# KiCad board mackerel-30-v1.kicad_pcb (continued)
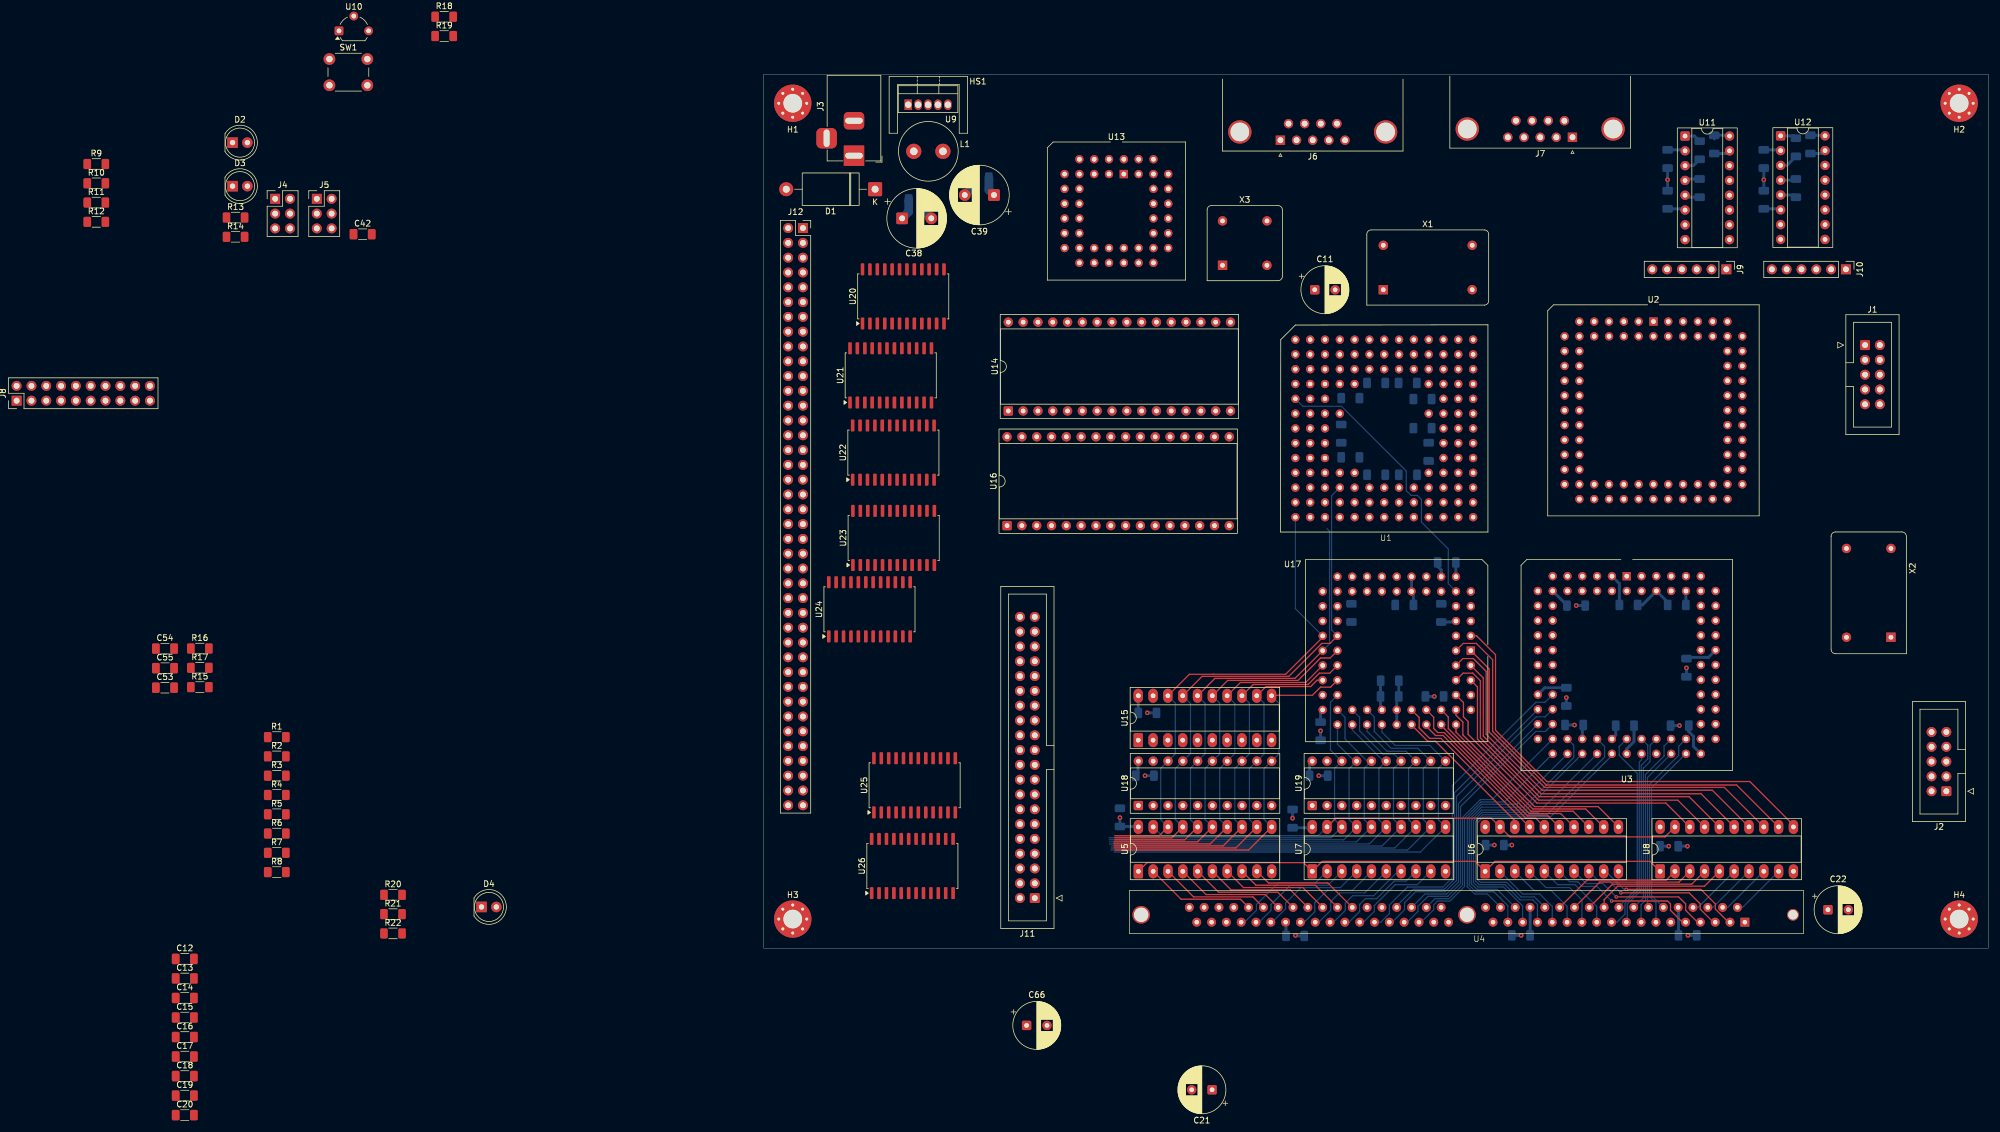
[diagram p0: board, top side]
## Footprints (pads in the part's own frame, mm; a bottom-side part is the same pattern mirrored in y, then rotated) (continued)
PinHeader_1x06_P2.54mm_Vertical
  rect 1.7x1.7 hole 1: 1(0,0)
  round 1.7 hole 1: 2(0,-2.54) 3(0,-5.08) 4(0,-7.62) 5(0,-10.16) 6(0,-12.7)
PinHeader_2x03_P2.54mm_Vertical
  rect 1.7x1.7 hole 1: 1(0,0)
  round 1.7 hole 1: 2(2.54,0) 3(0,-2.54) 4(2.54,-2.54) 5(0,-5.08) 6(2.54,-5.08)
PinHeader_2x10_P2.54mm_Vertical
  rect 1.7x1.7 hole 1: 1(0,0)
  round 1.7 hole 1: 2(2.54,0) 3(0,-2.54) 4(2.54,-2.54) 5(0,-5.08) 6(2.54,-5.08) 7(0,-7.62) 8(2.54,-7.62) 9(0,-10.16) 10(2.54,-10.16) 11(0,-12.7) 12(2.54,-12.7) 13(0,-15.24) 14(2.54,-15.24) 15(0,-17.78) 16(2.54,-17.78) 17(0,-20.32) 18(2.54,-20.32) 19(0,-22.86) 20(2.54,-22.86)
PinSocket_2x40_P2.54mm_Vertical
  rect 1.7x1.7 hole 1: 1(0,0)
  round 1.7 hole 1: 2(-2.54,0) 3(0,-2.54) 4(-2.54,-2.54) 5(0,-5.08) 6(-2.54,-5.08) 7(0,-7.62) 8(-2.54,-7.62) 9(0,-10.16) 10(-2.54,-10.16) 11(0,-12.7) 12(-2.54,-12.7) 13(0,-15.24) 14(-2.54,-15.24) 15(0,-17.78) 16(-2.54,-17.78) 17(0,-20.32) 18(-2.54,-20.32) 19(0,-22.86) 20(-2.54,-22.86) 21(0,-25.4) 22(-2.54,-25.4) 23(0,-27.94) 24(-2.54,-27.94) 25(0,-30.48) 26(-2.54,-30.48) 27(0,-33.02) 28(-2.54,-33.02) 29(0,-35.56) 30(-2.54,-35.56) 31(0,-38.1) 32(-2.54,-38.1) 33(0,-40.64) 34(-2.54,-40.64) 35(0,-43.18) 36(-2.54,-43.18) 37(0,-45.72) 38(-2.54,-45.72) 39(0,-48.26) 40(-2.54,-48.26) 41(0,-50.8) 42(-2.54,-50.8) 43(0,-53.34) 44(-2.54,-53.34) 45(0,-55.88) 46(-2.54,-55.88) 47(0,-58.42) 48(-2.54,-58.42) 49(0,-60.96) 50(-2.54,-60.96) 51(0,-63.5) 52(-2.54,-63.5) 53(0,-66.04) 54(-2.54,-66.04) 55(0,-68.58) 56(-2.54,-68.58) 57(0,-71.12) 58(-2.54,-71.12) 59(0,-73.66) 60(-2.54,-73.66) 61(0,-76.2) 62(-2.54,-76.2) 63(0,-78.74) 64(-2.54,-78.74) 65(0,-81.28) 66(-2.54,-81.28) 67(0,-83.82) 68(-2.54,-83.82) 69(0,-86.36) 70(-2.54,-86.36) 71(0,-88.9) 72(-2.54,-88.9) 73(0,-91.44) 74(-2.54,-91.44) 75(0,-93.98) 76(-2.54,-93.98) 77(0,-96.52) 78(-2.54,-96.52) 79(0,-99.06) 80(-2.54,-99.06)
PLCC-44_THT-Socket
  rect 1.422x1.422 hole 0.8: 1(0,0)
  round 1.422 hole 0.8: 2(-2.54,2.54) 3(-2.54,0) 4(-5.08,2.54) 5(-5.08,0) 6(-7.62,2.54) 7(-10.16,0) 8(-7.62,0) 9(-10.16,-2.54) 10(-7.62,-2.54) 11(-10.16,-5.08) 12(-7.62,-5.08) 13(-10.16,-7.62) 14(-7.62,-7.62) 15(-10.16,-10.16) 16(-7.62,-10.16) 17(-10.16,-12.7) 18(-7.62,-15.24) 19(-7.62,-12.7) 20(-5.08,-15.24) 21(-5.08,-12.7) 22(-2.54,-15.24) 23(-2.54,-12.7) 24(0,-15.24) 25(0,-12.7) 26(2.54,-15.24) 27(2.54,-12.7) 28(5.08,-15.24) 29(7.62,-12.7) 30(5.08,-12.7) 31(7.62,-10.16) 32(5.08,-10.16) 33(7.62,-7.62) 34(5.08,-7.62) 35(7.62,-5.08) 36(5.08,-5.08) 37(7.62,-2.54) 38(5.08,-2.54) 39(7.62,0) 40(5.08,2.54) 41(5.08,0) 42(2.54,2.54) 43(2.54,0) 44(0,2.54)
PLCC-68_THT-Socket
  rect 1.422x1.422 hole 0.8: 1(0,0)
  round 1.422 hole 0.8: 2(0,-2.54) 3(-2.54,0) 4(-2.54,-2.54) 5(-5.08,0) 6(-5.08,-2.54) 7(-7.62,0) 8(-7.62,-2.54) 9(-10.16,0) 10(-12.7,-2.54) 11(-10.16,-2.54) 12(-12.7,-5.08) 13(-10.16,-5.08) 14(-12.7,-7.62) 15(-10.16,-7.62) 16(-12.7,-10.16) 17(-10.16,-10.16) 18(-12.7,-12.7) 19(-10.16,-12.7) 20(-12.7,-15.24) 21(-10.16,-15.24) 22(-12.7,-17.78) 23(-10.16,-17.78) 24(-12.7,-20.32) 25(-10.16,-20.32) 26(-12.7,-22.86) 27(-10.16,-25.4) 28(-10.16,-22.86) 29(-7.62,-25.4) 30(-7.62,-22.86) 31(-5.08,-25.4) 32(-5.08,-22.86) 33(-2.54,-25.4) 34(-2.54,-22.86) 35(0,-25.4) 36(0,-22.86) 37(2.54,-25.4) 38(2.54,-22.86) 39(5.08,-25.4) 40(5.08,-22.86) 41(7.62,-25.4) 42(7.62,-22.86) 43(10.16,-25.4) 44(12.7,-22.86) 45(10.16,-22.86) 46(12.7,-20.32) 47(10.16,-20.32) 48(12.7,-17.78) 49(10.16,-17.78) 50(12.7,-15.24) 51(10.16,-15.24) 52(12.7,-12.7) 53(10.16,-12.7) 54(12.7,-10.16) 55(10.16,-10.16) 56(12.7,-7.62) 57(10.16,-7.62) 58(12.7,-5.08) 59(10.16,-5.08) 60(12.7,-2.54) 61(10.16,0) 62(10.16,-2.54) 63(7.62,0) 64(7.62,-2.54) 65(5.08,0) 66(5.08,-2.54) 67(2.54,0) 68(2.54,-2.54)
PLCC-84_THT-Socket
  rect 1.422x1.422 hole 0.8: 1(0,0)
  round 1.422 hole 0.8: 2(0,-2.54) 3(-2.54,0) 4(-2.54,-2.54) 5(-5.08,0) 6(-5.08,-2.54) 7(-7.62,0) 8(-7.62,-2.54) 9(-10.16,0) 10(-10.16,-2.54) 11(-12.7,0) 12(-15.24,-2.54) 13(-12.7,-2.54) 14(-15.24,-5.08) 15(-12.7,-5.08) 16(-15.24,-7.62) 17(-12.7,-7.62) 18(-15.24,-10.16) 19(-12.7,-10.16) 20(-15.24,-12.7) 21(-12.7,-12.7) 22(-15.24,-15.24) 23(-12.7,-15.24) 24(-15.24,-17.78) 25(-12.7,-17.78) 26(-15.24,-20.32) 27(-12.7,-20.32) 28(-15.24,-22.86) 29(-12.7,-22.86) 30(-15.24,-25.4) 31(-12.7,-25.4) 32(-15.24,-27.94) 33(-12.7,-30.48) 34(-12.7,-27.94) 35(-10.16,-30.48) 36(-10.16,-27.94) 37(-7.62,-30.48) 38(-7.62,-27.94) 39(-5.08,-30.48) 40(-5.08,-27.94) 41(-2.54,-30.48) 42(-2.54,-27.94) 43(0,-30.48) 44(0,-27.94) 45(2.54,-30.48) 46(2.54,-27.94) 47(5.08,-30.48) 48(5.08,-27.94) 49(7.62,-30.48) 50(7.62,-27.94) 51(10.16,-30.48) 52(10.16,-27.94) 53(12.7,-30.48) 54(15.24,-27.94) 55(12.7,-27.94) 56(15.24,-25.4) 57(12.7,-25.4) 58(15.24,-22.86) 59(12.7,-22.86) 60(15.24,-20.32) 61(12.7,-20.32) 62(15.24,-17.78) 63(12.7,-17.78) 64(15.24,-15.24) 65(12.7,-15.24) 66(15.24,-12.7) 67(12.7,-12.7) 68(15.24,-10.16) 69(12.7,-10.16) 70(15.24,-7.62) 71(12.7,-7.62) 72(15.24,-5.08) 73(12.7,-5.08) 74(15.24,-2.54) 75(12.7,0) 76(12.7,-2.54) 77(10.16,0) 78(10.16,-2.54) 79(7.62,0) 80(7.62,-2.54) 81(5.08,0) 82(5.08,-2.54) 83(2.54,0) 84(2.54,-2.54)
R_1206_3216Metric_Pad1.30x1.75mm_HandSolder
  rrect 1.3x1.75 smd: 1(-1.55,0) 2(1.55,0)
SIMM-72
  rect 1.524x1.524 hole 0.762: 1(0,0)
  round 1.524 hole 0.762: 2(1.27,-2.54) 3(2.54,0) 4(3.81,-2.54) 5(5.08,0) 6(6.35,-2.54) 7(7.62,0) 8(8.89,-2.54) 9(10.16,0) 10(11.43,-2.54) 11(12.7,0) 12(13.97,-2.54) 13(15.24,0) 14(16.51,-2.54) 15(17.78,0) 16(19.05,-2.54) 17(20.32,0) 18(21.59,-2.54) 19(22.86,0) 20(24.13,-2.54) 21(25.4,0) 22(26.67,-2.54) 23(27.94,0) 24(29.21,-2.54) 25(30.48,0) 26(31.75,-2.54) 27(33.02,0) 28(34.29,-2.54) 29(35.56,0) 30(36.83,-2.54) 31(38.1,0) 32(39.37,-2.54) 33(40.64,0) 34(41.91,-2.54) 35(43.18,0) 36(44.45,-2.54) 37(50.8,0) 38(52.07,-2.54) 39(53.34,0) 40(54.61,-2.54) 41(55.88,0) 42(57.15,-2.54) 43(58.42,0) 44(59.69,-2.54) 45(60.96,0) 46(62.23,-2.54) 47(63.5,0) 48(64.77,-2.54) 49(66.04,0) 50(67.31,-2.54) 51(68.58,0) 52(69.85,-2.54) 53(71.12,0) 54(72.39,-2.54) 55(73.66,0) 56(74.93,-2.54) 57(76.2,0) 58(77.47,-2.54) 59(78.74,0) 60(80.01,-2.54) 61(81.28,0) 62(82.55,-2.54) 63(83.82,0) 64(85.09,-2.54) 65(86.36,0) 66(87.63,-2.54) 67(88.9,0) 68(90.17,-2.54) 69(91.44,0) 70(92.71,-2.54) 71(93.98,0) 72(95.25,-2.54)
  round 2 hole 1.63: 73(-8.255,-1.27)
  round 3 hole 2.45: 74(103.505,-1.27) 75(47.63,-1.27)
SOIC-24W_7.5x15.4mm_P1.27mm
  rrect 2.05x0.6 smd: 1(-4.65,6.985) 2(-4.65,5.715) 3(-4.65,4.445) 4(-4.65,3.175) 5(-4.65,1.905) 6(-4.65,0.635) 7(-4.65,-0.635) 8(-4.65,-1.905) 9(-4.65,-3.175) 10(-4.65,-4.445) 11(-4.65,-5.715) 12(-4.65,-6.985) 13(4.65,-6.985) 14(4.65,-5.715) 15(4.65,-4.445) 16(4.65,-3.175) 17(4.65,-1.905) 18(4.65,-0.635) 19(4.65,0.635) 20(4.65,1.905) 21(4.65,3.175) 22(4.65,4.445) 23(4.65,5.715) 24(4.65,6.985)
SW_PUSH_6mm_H5mm
  round 2 hole 1.1: 1(0,0) 1(6.5,0) 2(0,-4.5) 2(6.5,-4.5)
TO-92L_Wide
  rrect 1.5x1.5 hole 0.8: 1(0,0)
  round 1.5 hole 0.8: 2(2.54,2.54) 3(5.08,0)
TO-220-5_Vertical
  rect 1.275x1.8 hole 1.1: 1(0,0)
  oval 1.275x1.8 hole 1.1: 2(1.7,0) 3(3.4,0) 4(5.1,0) 5(6.8,0)

## Nets
+5V: C1.1 C2.1 C3.1 C4.1 C5.1 C6.1 C7.1 C8.1 C9.1 C10.1 C11.1 C12.1 C13.1 C14.1 C15.1 C16.1 C17.1 C18.1 C19.1 C20.1 C21.1 C22.1 C23.1 C24.1 C25.1 C26.1 C27.1 C28.1 C29.1 C30.1 C31.1 C32.1 C33.1 C34.1 C35.1 C36.1 C37.1 C39.1 C40.1 C43.1 C44.1 C53.1 C54.1 C55.1 C56.1 C57.1 C58.1 C59.1 C60.1 C61.1 C62.1 C63.1 C64.1 C65.1 C66.1 C67.1 J1.4 J2.4 J5.1 J5.3 J5.5 J8.3 J8.4 L1.2 R1.1 R2.1 R3.1 R4.1 R5.1 R6.1 R7.1 R9.1 R10.1 R11.1 R13.1 R14.1 R15.2 R16.1 R17.1 R18.1 R19.1 R22.1 U1.A1 U1.C3 U1.C6 U1.D4 U1.D10 U1.F2 U1.F11 U1.G1 U1.H3 U1.H11 U1.J1 U1.K4 U1.K10 U1.L6 U2.3 U2.13 U2.26 U2.38 U2.43 U2.53 U2.66 U2.78 U3.3 U3.13 U3.26 U3.38 U3.43 U3.53 U3.66 U3.78 U4.10 U4.30 U4.59 U5.20 U6.20 U7.20 U8.20 U9.4 U10.3 U11.16 U12.16 U13.44 U14.32 U15.20 U16.32 U17.10 U17.16 U17.17 U17.27 U17.43 U17.52 U17.53 U17.61 U18.20 U19.20 U20.1 U21.1 U22.1 U23.1 U24.1 U25.1 U26.1 X1.14 X2.14 X3.8
+12V: C38.1 C41.1 J3.1 J4.1 J4.3 J4.5 U9.1
GND: C1.2 C2.2 C3.2 C4.2 C5.2 C6.2 C7.2 C8.2 C9.2 C10.2 C11.2 C12.2 C13.2 C14.2 C15.2 C16.2 C17.2 C18.2 C19.2 C20.2 C21.2 C22.2 C23.2 C24.2 C25.2 C26.2 C27.2 C28.2 C29.2 C30.2 C31.2 C32.2 C33.2 C34.2 C35.2 C36.2 C37.2 C38.2 C39.2 C40.2 C41.2 C42.2 C43.2 C44.2 C49.2 C50.1 C51.2 C52.1 C53.2 C54.2 C55.2 C56.2 C57.2 C58.2 C59.2 C60.2 C61.2 C62.2 C63.2 C64.2 C65.2 C66.2 C67.2 D1.2 D2.1 H1.1 H2.1 H3.1 H4.1 J1.2 J1.10 J2.2 J2.10 J3.2 J4.2 J4.4 J4.6 J5.2 J5.4 J5.6 J6.5 J6.SH J7.5 J7.SH J8.5 J8.6 J8.19 J8.20 J9.1 J10.1 J11.2 J11.19 J11.22 J11.24 J11.26 J11.30 J11.40 R8.2 R12.2 R20.1 R21.1 SW1.2 U1.C5 U1.C7 U1.C9 U1.E3 U1.E11 U1.F3 U1.G3 U1.G11 U1.J3 U1.J11 U1.L5 U1.L7 U1.L8 U1.L9 U2.1 U2.7 U2.19 U2.32 U2.42 U2.47 U2.59 U2.72 U2.82 U2.84 U3.1 U3.2 U3.7 U3.19 U3.32 U3.42 U3.47 U3.59 U3.72 U3.82 U3.84 U4.1 U4.39 U4.72 U5.10 U6.10 U7.10 U8.10 U9.3 U9.5 U10.1 U11.15 U12.15 U13.22 U14.16 U15.10 U16.16 U16.24 U17.4 U17.5 U17.6 U17.7 U17.8 U17.9 U17.12 U17.14 U17.19 U17.30 U17.41 U17.51 U17.63 U18.10 U19.10 U20.11 U20.12 U20.13 U21.11 U21.12 U21.13 U22.11 U22.12 U22.13 U23.11 U23.12 U23.13 U24.11 U24.12 U24.13 U25.11 U25.12 U25.13 U26.11 U26.12 U26.13 X1.7 X2.7 X3.4
/8-bit Peripherals/BUF_D24: U13.28 U14.13 U15.9 U16.13
/8-bit Peripherals/BUF_D25: U13.18 U14.14 U15.8 U16.14
/8-bit Peripherals/BUF_D26: U13.27 U14.15 U15.7 U16.15
/8-bit Peripherals/BUF_D27: U13.19 U14.17 U15.6 U16.17
/8-bit Peripherals/BUF_D28: U13.26 U14.18 U15.5 U16.18
/8-bit Peripherals/BUF_D29: U13.20 U14.19 U15.4 U16.19
/8-bit Peripherals/BUF_D30: U13.25 U14.20 U15.3 U16.20
/8-bit Peripherals/BUF_D31: U13.21 U14.21 U15.2 U16.21
/AS: U1.J2 U17.21
/AVEC: U1.E2
/BERR: U1.H1
/CAS0: U3.34 U4.40
/CAS1: U3.33 U4.41
/CAS2: U3.31 U4.43
/CAS3: U3.30 U4.42
/CIIN: U1.L1
/CS_DRAM: U5.19 U6.19 U7.19 U8.19
/CS_DUART: U13.39
/CS_FPU: U17.29
/CS_ROM: U14.22
/CS_SRAM: U16.22
/CTSA: U11.9 U13.8
/CTSB: U12.9 U13.5
/DRAM/DRAM_A0: U3.51 U4.12
/DRAM/DRAM_A1: U3.52 U4.13
/DRAM/DRAM_A2: U3.49 U4.14
/DRAM/DRAM_A3: U3.50 U4.15
/DRAM/DRAM_A4: U3.48 U4.16
/DRAM/DRAM_A5: U3.46 U4.17
/DRAM/DRAM_A6: U3.44 U4.18
/DRAM/DRAM_A7: U3.41 U4.28
/DRAM/DRAM_A8: U3.39 U4.31
/DRAM/DRAM_A9: U3.37 U4.32
/DRAM/DRAM_A10: U3.45 U4.19
/DRAM/DRAM_A11: U3.40 U4.29
/DRAM/SIMM_D0: U4.2 U8.9
/DRAM/SIMM_D1: U4.4 U8.8
/DRAM/SIMM_D2: U4.6 U8.7
/DRAM/SIMM_D3: U4.8 U8.6
/DRAM/SIMM_D4: U4.20 U8.5
/DRAM/SIMM_D5: U4.22 U8.4
/DRAM/SIMM_D6: U4.24 U8.3
/DRAM/SIMM_D7: U4.26 U8.2
/DRAM/SIMM_D8: U4.49 U7.9
/DRAM/SIMM_D9: U4.51 U7.8
/DRAM/SIMM_D10: U4.53 U7.7
/DRAM/SIMM_D11: U4.55 U7.6
/DRAM/SIMM_D12: U4.57 U7.5
/DRAM/SIMM_D13: U4.61 U7.4
/DRAM/SIMM_D14: U4.63 U7.3
/DRAM/SIMM_D15: U4.65 U7.2
/DRAM/SIMM_D16: U4.3 U6.9
/DRAM/SIMM_D17: U4.5 U6.8
/DRAM/SIMM_D18: U4.7 U6.7
/DRAM/SIMM_D19: U4.9 U6.6
/DRAM/SIMM_D20: U4.21 U6.5
/DRAM/SIMM_D21: U4.23 U6.4
/DRAM/SIMM_D22: U4.25 U6.3
/DRAM/SIMM_D23: U4.27 U6.2
/DRAM/SIMM_D24: U4.50 U5.9
/DRAM/SIMM_D25: U4.52 U5.8
/DRAM/SIMM_D26: U4.54 U5.7
/DRAM/SIMM_D27: U4.56 U5.6
/DRAM/SIMM_D28: U4.58 U5.5
/DRAM/SIMM_D29: U4.60 U5.4
/DRAM/SIMM_D30: U4.62 U5.3
/DRAM/SIMM_D31: U4.64 U5.2
/DRAM_WR: U3.27 U4.47
/DS: U1.K2 U17.20
/DSACK0: R3.2 U1.F1 U13.10 U17.31
/DSACK1: R2.2 U1.G2 U17.32
/HALT: U1.H2
/IACK_DUART: U13.41
/IDE_BUF: U18.19 U19.19
/IDE_CS0: J11.37
/IDE_CS1: J11.38
/IDE_RD: J11.25
/IDE_WR: J11.23
/IPL0: U1.H13
/IPL1: U1.G13
/IPL2: U1.G12
/IRQ_DUART: R15.1 U13.24
/OE_ROM: R17.2 U14.24
/RAS0: U3.28 U4.44
/RAS1: U3.29 U4.45
/RAS2: U3.35 U4.34
/RAS3: U3.36 U4.33
/RESET: C42.1 D3.1 J11.1 SW1.1 U1.F12 U10.2 U13.38 U17.13
/RTSA: J9.2 U11.10 U13.32
/RTSB: J10.2 U12.10 U13.14
/WE_ROM: R16.2 U14.31
A0: U1.A2 U14.12 U16.12 U24.3
A1: J11.35 U1.C4 U13.2 U14.11 U16.11 U17.25 U24.4
A2: J11.33 U1.D13 U13.4 U14.10 U16.10 U17.24 U24.5
A3: J11.36 U1.D12 U13.6 U14.9 U16.9 U17.23 U24.6
A4: U1.C13 U13.7 U14.8 U16.8 U17.22 U24.7
A5: U1.C12 U14.7 U16.7 U24.8
A6: U1.D11 U14.6 U16.6 U24.9
A7: U1.B13 U14.5 U16.5 U24.10
A8: U1.B12 U14.27 U16.27 U23.3
A9: U1.C11 U14.26 U16.26 U23.4
A10: U1.A13 U14.23 U16.23 U23.5
A11: U1.C10 U14.25 U16.25 U23.6
A12: U1.B11 U14.4 U16.4 U23.7
A13: U1.A12 U14.28 U16.28 U23.8
A14: U1.B10 U14.29 U16.3 U23.9
A15: U1.A11 U14.3 U16.31 U23.10
A16: U1.B9 U14.2 U16.2 U22.3
A17: U1.A10 U14.30 U16.30 U22.4
A18: U1.C8 U14.1 U16.1 U22.5
A19: U1.A9 U22.6
A20: U1.B8 U22.7
A21: U1.A8 U22.8
A22: U1.B7 U22.9
A23: U1.A7 U22.10
A24: U1.A6
A25: U1.B6
A26: U1.A5
A27: U1.B5
A28: U1.A4
A29: U1.B4
A30: U1.A3
A31: U1.B3
CLK_CPU: U1.E1 U2.83 U17.11 X1.8
CLK_DRAM: U3.83 X2.8
CLK_DUART: U13.36 X3.5
D0: U1.K13 U8.11 U17.3
D1: U1.K12 U8.12 U17.2
D2: U1.L13 U8.13 U17.1
D3: U1.M13 U8.14 U17.68
D4: U1.L12 U8.15 U17.67
D5: U1.K11 U8.16 U17.66
D6: U1.M12 U8.17 U17.65
D7: U1.L11 U8.18 U17.64
D8: U1.N13 U6.11 U17.62
D9: U1.M11 U6.12 U17.60
D10: U1.L10 U6.13 U17.59
D11: U1.N12 U6.14 U17.58
D12: U1.M10 U6.15 U17.57
D13: U1.N11 U6.16 U17.56
D14: U1.M9 U6.17 U17.55
D15: U1.N10 U6.18 U17.54
D16: U1.N9 U7.11 U17.50 U19.11 U25.3
D17: U1.M8 U7.12 U17.49 U19.12 U25.4
D18: U1.N8 U7.13 U17.48 U19.13 U25.5
D19: U1.N7 U7.14 U17.47 U19.14 U25.6
D20: U1.M7 U7.15 U17.46 U19.15 U25.7
D21: U1.N6 U7.16 U17.45 U19.16 U25.8
D22: U1.M6 U7.17 U17.44 U19.17 U25.9
D23: U1.N5 U7.18 U17.42 U19.18 U25.10
D24: U1.M5 U5.11 U15.11 U17.40 U18.11 U26.3
D25: U1.N4 U5.12 U15.12 U17.39 U18.12 U26.4
D26: U1.N3 U5.13 U15.13 U17.38 U18.13 U26.5
D27: U1.M4 U5.14 U15.14 U17.37 U18.14 U26.6
D28: U1.N2 U5.15 U15.15 U17.36 U18.15 U26.7
D29: U1.M3 U5.16 U15.16 U17.35 U18.16 U26.8
D30: U1.L4 U5.17 U15.17 U17.34 U18.17 U26.9
D31: U1.N1 U5.18 U15.18 U17.33 U18.18 U26.10
FC0: U1.D2
FC1: U1.C1
FC2: U1.D1
IDE_D0: J11.17 U18.9
IDE_D1: J11.15 U18.8
IDE_D2: J11.13 U18.7
IDE_D3: J11.11 U18.6
IDE_D4: J11.9 U18.5
IDE_D5: J11.7 U18.4
IDE_D6: J11.5 U18.3
IDE_D7: J11.3 U18.2
IDE_D8: J11.4 U19.9
IDE_D9: J11.6 U19.8
IDE_D10: J11.8 U19.7
IDE_D11: J11.10 U19.6
IDE_D12: J11.12 U19.5
IDE_D13: J11.14 U19.4
IDE_D14: J11.16 U19.3
IDE_D15: J11.18 U19.2
IDE_INT: J11.31 R21.2
IDE_RDY: J11.27 R20.2
IP2: J8.11 U13.40
IP3: J8.13 U13.3
IP4: J8.15 U13.43
IP5: J8.17 U13.42
OP2: J8.8 U13.31
OP3: J8.10 U13.15
OP4: J8.12 U13.30
OP5: J8.14 U13.16
OP6: J8.16 U13.29
OP7: J8.18 U13.17
R/W: U1.L3 U5.1 U6.1 U7.1 U8.1 U13.9 U15.1 U16.29 U17.28 U18.1 U19.1
RXA: J9.4 U11.12 U13.35
RXB: J10.4 U12.12 U13.11
SIZ0: U1.L2
SIZ1: U1.K3
TCK: J1.1 R8.1 U2.62
TCK_DRAM: J2.1 R12.1 U3.62
TDI: J1.9 R7.2 U2.14
TDI_DRAM: J2.9 R11.2 U3.14
TDO: J1.3 R5.2 U2.71
TDO_DRAM: J2.3 R9.2 U3.71
TMS: J1.5 R6.2 U2.23
TMS_DRAM: J2.5 R10.2 U3.23
TXA: J9.5 U11.11 U13.33
TXB: J10.5 U12.11 U13.13
Net-(D1-K): D1.1 L1.1 U9.2
Net-(D2-A): D2.2 R13.2
Net-(D3-A): D3.2 R14.2
Net-(D4-A): D4.2 R22.2
Net-(J6-Pad1): J6.1 J6.4 J6.6
Net-(J7-Pad1): J7.1 J7.4 J7.6
Net-(U1-/CDIS): R1.2 U1.H12
Net-(U1-/MMUDIS): R4.2 U1.F13
Net-(U11-C1+): C45.1 U11.1
Net-(U11-C1-): C45.2 U11.3
Net-(U11-C2+): C47.1 U11.4
Net-(U11-C2-): C47.2 U11.5
Net-(U11-R1IN): J7.2 U11.13
Net-(U11-R2IN): J7.8 U11.8
Net-(U11-T1OUT): J7.3 U11.14
Net-(U11-T2OUT): J7.7 U11.7
Net-(U11-VS+): C49.1 U11.2
Net-(U11-VS-): C50.2 U11.6
Net-(U12-C1+): C46.1 U12.1
Net-(U12-C1-): C46.2 U12.3
Net-(U12-C2+): C48.1 U12.4
Net-(U12-C2-): C48.2 U12.5
Net-(U12-R1IN): J6.3 U12.13
Net-(U12-R2IN): J6.7 U12.8
Net-(U12-T1OUT): J6.2 U12.14
Net-(U12-T2OUT): J6.8 U12.7
Net-(U12-VS+): C51.1 U12.2
Net-(U12-VS-): C52.2 U12.6
Net-(U17-/SIZE): R18.2 U17.18
Net-(U17-A0): R19.2 U17.26
Net-(U20-V_{CCB}-Pad23): U20.23 U20.24
Net-(U21-V_{CCB}-Pad23): U21.23 U21.24
Net-(U22-V_{CCB}-Pad23): U22.23 U22.24
Net-(U23-V_{CCB}-Pad23): U23.23 U23.24
Net-(U24-V_{CCB}-Pad23): U24.23 U24.24
Net-(U25-V_{CCB}-Pad23): U25.23 U25.24
Net-(U26-V_{CCB}-Pad23): U26.23 U26.24

Pads without a net: D4 1; J1 6 7 8; J2 6 7 8; J3 3; J6 9; J7 9; J8 1 2 7 9; J9 3 6; J10 3 6; J11 20 21 28 29 32 34 39; J12 1 2 3 4 5 6 7 8 9 10 11 12 13 14 15 16 17 18 19 20 21 22 23 24 25 26 27 28 29 30 31 32 33 34 35 36 37 38 39 40 41 42 43 44 45 46 47 48 49 50 51 52 53 54 55 56 57 58 59 60 61 62 63 64 65 66 67 68 69 70 71 72 73 74 75 76 77 78 79 80; U1 B1 B2 C2 D3 D5 E12 E13 F4 F10 J12 J13 K1 K5 M1 M2; U2 2 4 5 6 8 9 10 11 12 15 16 17 18 20 21 22 24 25 27 28 29 30 31 33 34 35 36 37 39 40 41 44 45 46 48 49 50 51 52 54 55 56 57 58 60 61 63 64 65 67 68 69 70 73 74 75 76 77 79 80 81; U3 4 5 6 8 9 10 11 12 15 16 17 18 20 21 22 24 25 54 55 56 57 58 60 61 63 64 65 67 68 69 70 73 74 75 76 77 79 80 81; U4 11 35 36 37 38 46 48 66 67 68 69 70 71 73 74 75; U13 1 12 23 34 37; U15 19; U17 15; U20 2 3 4 5 6 7 8 9 10 14 15 16 17 18 19 20 21 22; U21 2 3 4 5 6 7 8 9 10 14 15 16 17 18 19 20 21 22; U22 2 14 15 16 17 18 19 20 21 22; U23 2 14 15 16 17 18 19 20 21 22; U24 2 14 15 16 17 18 19 20 21 22; U25 2 14 15 16 17 18 19 20 21 22; U26 2 14 15 16 17 18 19 20 21 22; X1 1; X2 1; X3 1

## Via types
v1: diameter 0.8, hole 0.4, Top to Bottom, 21 vias
v2: diameter 0.6, hole 0.3, Top to Bottom, 4 vias

## Routing (per net, layer and track width the routed paths; a pad name or vN(x,y) marks a point on that pad's centre or on a via; arc(x,y) is an arc through that point)
+5V: length 94.3
  Bottom w0.5: v1(61.1,22.4) C34.1 64.19,20.88 U5.20 ; U11.16 165.5,139.5 C43.1 163,138.88 ; C25.1 133.94,44.7 U3.26 ; C33.1 156.88,6.94 U4.10 ; U3.3 146.74,62.56 C23.1 ; U4.30 131.43,7 C32.1 ; U19.20 93.6,31.63 C65.1 ; C30.1 158.14,61.28 U3.78 ; C67.1 64.24,43.32 U15.20 ; U4.59 89.58,4.4 C31.1 ; C26.1 140.38,38.14 U3.38 ; U17.16 U17.17 111.43,60.89 C56.1 111.62,59.1 ; U18.20 64.2,32.04 64.2,30 C64.1 ; U3.43 148,34.2 149.24,35.44 C27.1 ; U17.52 108.56,42.86 C59.1 108.9,45.88 C61.1 ; C37.1 v1(155.2,17.5) ; U7.20 93.94,20.68 C35.1 ; C29.1 158.64,37.16 159.44,36.36 159.44,34.62 U3.53 ; U17.10 118.7,63.78 C63.1 ; C36.1 v1(125.3,17.7) ; C24.1 137.74,58.86 U3.13 ; C58.1 95.5,40.54 U17.43 ; 121.3,40.86 U17.61 ; U12.16 181.91,139.5 C44.1 ; U3.66 162,49.9 158.44,49.9 C28.1
  Bottom w1.5: C39.1 38.62,130.12 C40.1
+12V: length 3.7
  Bottom w1.5: C41.1 24.88,126.38 C38.1
GND: length 65.1
  Bottom w0.5: C30.2 155.01,59.36 U3.82 150.68,58.9 C23.2 ; C33.2 v1(158.5,2.2) ; C61.2 105.78,45.88 C59.2 105.78,41.15 U17.51 ; C43.2 165.16,136.38 U11.15 ; U12.15 181.5,136.38 C44.2 ; C36.2 v1(128.3,17.7) ; C65.2 v1(95.2,29.6) ; C24.2 v1(139.34,58.8) ; C25.2 v1(137.64,43) ; C31.2 91.3,2.1 v1(91.2,2.2) ; C28.2 v1(158.24,48.1) ; C52.1 v1(171.5,131.88) C51.2 ; C26.2 v1(139.04,38.3) ; C27.2 146.12,36.56 U3.42 ; C29.2 v1(157.04,38.2) ; C32.2 v1(129.9,2.2) ; v1(65.8,40.4) 65.83,40.38 C67.2 ; U17.6 118.56,55.97 C62.2 ; C60.2 v1(115,43.2) ; C49.2 v1(155,131.88) C50.1 ; C37.2 v1(158.4,17.5) ; C58.2 v1(95.5,37.3) ; C63.2 115.57,65.53 116.2,64.9 116.2,63.78 U17.12 ; C64.2 v1(65.4,29.6) ; C35.2 v1(90.7,22.3)
  Bottom w1.5: C39.2 35.5,130.25 C40.2 ; C41.2 28,126 C38.2
/CAS0: length 40.4
  Bottom w0.2: U3.34 124.9,25.5 122.91,25.5 119.85,22.44 119.85,10.85 117.5,8.5 115.14,8.5 U4.40
/CAS1: length 42.2
  Bottom w0.2: U3.33 127.04,25.1 123.01,25.1 120.2,22.29 120.2,10.6 117.7,8.1 115.6,8.1 114.9,7.4 114.9,6.6 112.76,4.46 U4.41
/CAS2: length 47.8
  Bottom w0.2: U3.31 134.06,37.2 132.4,37.2 119.5,24.3 119.5,11.1 117.3,8.9 113.9,8.9 112.2,7.2 112.2,6.3 110.36,4.46 U4.43
/CAS3: length 42.6
  Bottom w0.2: U4.42 113.4,9.3 117.1,9.3 119.15,11.35 119.15,24.83 U3.30
/CS_DRAM: length 93.4
  Top w0.2: U7.19 98.1,22.3 123.25,22.3 123.26,22.31 124.18,22.31 124.19,22.3 124.77,22.3 U6.19 127.97,19.1 154.55,19.1 U8.19
  Bottom w0.2: U5.19 68.3,19.31 95.11,19.31 U7.19
/DRAM/DRAM_A0: length 29.7
  Bottom w0.2: U4.12 152.25,9.03 152.25,27.5 158.11,33.36 U3.51
/DRAM/DRAM_A1: length 34.5
  Bottom w0.2: U3.52 156.9,34.64 156.9,33.1 151.9,28.1 151.9,8.89 153.01,7.78 U4.13
/DRAM/DRAM_A2: length 28.1
  Bottom w0.2: U4.14 151.55,7.19 151.55,29.29 U3.49
/DRAM/DRAM_A3: length 33.6
  Bottom w0.2: U4.15 150.47,7.47 151.2,8.2 151.2,29.8 154.4,33 154.4,34.68 U3.50
/DRAM/DRAM_A4: length 30.5
  Bottom w0.2: U3.48 152,34.82 152,32.05 150.85,30.9 150.85,8.65 U4.16
/DRAM/DRAM_A5: length 33.4
  Bottom w0.2: U3.46 151.6,34.84 151.6,32.5 150.5,31.4 150.5,10 148.1,7.6 148.1,4.63 U4.17
/DRAM/DRAM_A6: length 32
  Bottom w0.2: U4.18 146.66,7.16 149.8,10.3 149.8,30 146.7,33.1 146.7,34.6 U3.44
/DRAM/DRAM_A7: length 51.4
  Bottom w0.2: U3.41 145.46,33.06 134.9,22.5 123.38,22.5 122.4,21.52 122.4,11.8 122.9,11.3 127.4,11.3 129.9,8.8 132.16,8.8 U4.28
/DRAM/DRAM_A8: length 49.4
  Bottom w0.2: U3.39 132.86,23.3 123.19,23.3 121.7,21.81 121.7,11.3 122.5,10.5 126.91,10.5 130.15,7.26 U4.31
/DRAM/DRAM_A9: length 43.9
  Bottom w0.2: U4.32 125.78,10.1 122.3,10.1 121.35,11.05 121.35,21.96 123.09,23.7 130.72,23.7 U3.37
/DRAM/DRAM_A10: length 31.6
  Bottom w0.2: U3.45 150.54,32.34 150.15,31.95 150.15,10.15 147.7,7.7 147.7,5.85 146.31,4.46 U4.19
/DRAM/DRAM_A11: length 55.9
  Bottom w0.2: U3.40 144.2,34.62 144.2,32.8 134.3,22.9 123.28,22.9 122.05,21.67 122.05,11.55 122.7,10.9 127.1,10.9 129.7,8.3 131.9,8.3 132.69,7.51 U4.29
/DRAM/SIMM_D0: length 9.6
  Bottom w0.2: U8.9 167.85,7 U4.2
/DRAM/SIMM_D1: length 9.6
  Bottom w0.2: U4.4 165.31,7 U8.8
/DRAM/SIMM_D2: length 9.6
  Bottom w0.2: U4.6 162.77,7 U8.7
/DRAM/SIMM_D3: length 9.6
  Bottom w0.2: U4.8 160.23,7 U8.6
/DRAM/SIMM_D4: length 23.1
  Top w0.2: U8.5 161.33,10.64 146.44,10.64 144.12,8.32 U4.20
/DRAM/SIMM_D5: length 22.3
  Top w0.2: U8.4 159.14,10.99 145.57,10.99 U4.22
/DRAM/SIMM_D6: length 22.3
  Top w0.2: U4.24 143.38,11.34 156.95,11.34 U8.3
/DRAM/SIMM_D7: length 22.3
  Top w0.2: U4.26 141.19,11.69 154.76,11.69 U8.2
/DRAM/SIMM_D8: length 16.4
  Bottom w0.2: U7.9 112.1,10.9 108.3,10.9 104.7,7.3 104.7,6.3 102.86,4.46 U4.49
/DRAM/SIMM_D9: length 16.5
  Bottom w0.2: U4.51 100.36,4.46 102.2,6.3 102.2,7.5 103.2,8.5 105.1,8.5 108.1,11.5 110.16,11.5 U7.8
/DRAM/SIMM_D10: length 16.5
  Bottom w0.2: U4.53 97.71,4.46 99.75,6.5 99.75,7.75 101,9 104.6,9 108.79,13.19 U7.7
/DRAM/SIMM_D11: length 16.7
  Bottom w0.2: U7.6 103.08,9.5 98.75,9.5 97.25,8 97.25,6.5 95.21,4.46 U4.55
/DRAM/SIMM_D12: length 16.7
  Bottom w0.2: U7.5 100.99,9.95 96.66,9.95 94.5,7.79 94.5,6.25 92.71,4.46 U4.57
/DRAM/SIMM_D13: length 18.9
  Bottom w0.2: U7.4 98.9,10.4 92.15,10.4 89.5,7.75 89.5,6.75 87.21,4.46 U4.61
/DRAM/SIMM_D14: length 18.9
  Bottom w0.2: U4.63 84.96,4.46 87,6.5 87,7.5 90.3,10.8 96.76,10.8 U7.3
/DRAM/SIMM_D15: length 18.9
  Bottom w0.2: U4.65 82.46,4.46 84.5,6.5 84.5,7.5 88.2,11.2 94.62,11.2 U7.2
/DRAM/SIMM_D16: length 25.8
  Top w0.2: U4.3 165.44,4.46 163.2,6.7 163.2,7.6 160.71,10.09 v2(147.9,10.09)
  Bottom w0.2: v2(147.9,10.09) 147.89,10.1 147.5,10.1 144.41,13.19 U6.9
/DRAM/SIMM_D17: length 25.8
  Top w0.2: v2(147,9.5) 158.7,9.5 160.6,7.6 160.6,6.7 162.84,4.46 U4.5
  Bottom w0.2: v2(147,9.5) 144.9,11.6 143.09,11.6 U6.8
/DRAM/SIMM_D18: length 25.9
  Top w0.2: v2(146.2,8.8) 156.9,8.8 158.1,7.6 158.1,6.5 160.14,4.46 U4.7
  Bottom w0.2: U6.7 141.05,11.1 143.9,11.1 v2(146.2,8.8)
/DRAM/SIMM_D19: length 25.9
  Top w0.2: U4.9 157.54,4.46 155.5,6.5 155.5,7.6 155,8.1 v2(145.4,8.1)
  Bottom w0.2: U6.6 138.21,11.4 139.6,11.4 140.4,10.6 142.9,10.6 v2(145.4,8.1)
/DRAM/SIMM_D20: length 14.2
  Bottom w0.2: U6.5 136.17,10.9 139.11,10.9 142.85,7.16 U4.21
/DRAM/SIMM_D21: length 14.8
  Bottom w0.2: U6.4 134.13,10.4 138.2,10.4 140.31,8.29 U4.23
/DRAM/SIMM_D22: length 14.2
  Bottom w0.2: U4.25 137.77,7.16 135.03,9.9 132.09,9.9 U6.3
/DRAM/SIMM_D23: length 14.2
  Bottom w0.2: U6.2 130.15,9.3 133.09,9.3 135.23,7.16 U4.27
/DRAM/SIMM_D24: length 18.9
  Top w0.2: U5.9 86.57,11.2 96.74,11.2 U4.50
/DRAM/SIMM_D25: length 18.9
  Top w0.2: U5.8 84.43,10.8 94.6,10.8 U4.52
/DRAM/SIMM_D26: length 18.9
  Top w0.2: U5.7 82.29,10.4 92.46,10.4 U4.54
/DRAM/SIMM_D27: length 18.9
  Top w0.2: U5.6 80.15,10 90.32,10 U4.56
/DRAM/SIMM_D28: length 18.9
  Top w0.2: U5.5 78.01,9.6 88.18,9.6 U4.58
/DRAM/SIMM_D29: length 18.9
  Top w0.2: U4.60 86.04,9.2 75.87,9.2 U5.4
/DRAM/SIMM_D30: length 18.9
  Top w0.2: U5.3 73.73,8.8 83.9,8.8 U4.62
/DRAM/SIMM_D31: length 18.9
  Top w0.2: U5.2 71.59,8.4 81.76,8.4 U4.64
/DRAM_WR: length 56.8
  Bottom w0.2: U4.47 105.83,4.46 107.3,5.93 107.3,7.4 110.4,10.5 116.5,10.5 118.1,12.1 118.1,27.89 132.41,42.2 133.98,42.2 U3.27
/RAS0: length 47.1
  Bottom w0.2: U4.44 108.56,7.26 111.4,10.1 116.7,10.1 118.45,11.85 118.45,26.67 U3.28
/RAS1: length 52.3
  Bottom w0.2: U4.45 107.76,4.46 109.9,6.6 109.9,7.8 111.8,9.7 116.9,9.7 118.8,11.6 118.8,26.02 132.48,39.7 134.02,39.7 U3.29
/RAS2: length 40.7
  Bottom w0.2: U3.35 129.18,24.7 123.1,24.7 120.65,22.25 120.65,10.55 121.9,9.3 124.1,9.3 126.34,7.06 U4.34
/RAS3: length 48.1
  Bottom w0.2: U3.36 138.9,34.84 138.9,32.7 130.4,24.2 123.1,24.2 121,22.1 121,10.8 122.1,9.7 125.2,9.7 127.61,7.29 U4.33
CLK_CPU: length 49
  Bottom w0.2: U17.11 117.4,62.54 117.4,68.5 112.8,73.1 112.8,77 112.1,77.7 111,77.7 110.2,78.5 110.2,81.87 99.07,93 92.46,93 U1.E1
D0: length 76.7
  Top w0.2: U8.11 176.58,21.12 169.1,28.6 134.3,28.6 125.5,37.4 125.5,50.37 122.27,53.6 U17.3
D1: length 76.1
  Top w0.2: U8.12 166.85,28 134.2,28 125,37.2 125,49.5 122.2,52.3 119.96,52.3 U17.2
D2: length 69.1
  Top w0.2: U17.1 124.4,47.92 124.4,37.1 133.9,27.6 164.71,27.6 U8.13
D3: length 69
  Top w0.2: U17.68 119.9,49.7 121.7,49.7 123.9,47.5 123.9,36.7 133.5,27.1 162.67,27.1 U8.14
D4: length 62.5
  Top w0.2: U8.15 160.73,26.5 133.3,26.5 123.4,36.4 123.4,46.38 U17.67
D5: length 62.3
  Top w0.2: U8.16 158.69,26 133,26 122.9,36.1 122.9,45.9 121.6,47.2 119.94,47.2 U17.66
D6: length 55.7
  Top w0.2: U17.65 122.4,44.84 122.4,35.9 132.9,25.4 156.75,25.4 U8.17
D7: length 52.2
  Top w0.2: U8.18 154.71,24.9 132.6,24.9 120.8,36.7 120.8,38.9 120,39.7 120,42.16 U17.64
D8: length 38
  Top w0.2: U6.11 143.09,24.3 132.2,24.3 119.9,36.6 119.9,38.8 118.72,39.98 U17.62
D9: length 33.3
  Top w0.2: U17.60 118.72,37.08 131.9,23.9 140.95,23.9 U6.12
D10: length 34.8
  Top w0.2: U17.59 117.4,39.68 117.4,37.7 131.6,23.5 138.81,23.5 U6.13
D11: length 30.1
  Top w0.2: U6.14 136.67,23.1 131.3,23.1 116.18,38.22 U17.58
D12: length 32.2
  Top w0.2: U17.57 114.9,39.64 114.9,37.7 115.6,37 116.7,37 131,22.7 134.53,22.7 U6.15
D13: length 27.7
  Top w0.2: U17.56 113.64,38.06 115.2,36.5 116.51,36.5 130.71,22.3 132.39,22.3 U6.16
D14: length 29.6
  Top w0.2: U17.55 112.4,39.6 112.4,37.8 114.2,36 116.15,36 U6.17
D15: length 25.6
  Top w0.2: U6.18 128.8,21.9 115.2,35.5 113.9,35.5 111.1,38.3 U17.54
D16: length 85.2
  Bottom w0.2: U17.50 106.02,37.08 108.3,34.8 114.23,34.8 U19.11 115.7,30.87 115.7,22.04 U7.11 112.62,16.5 60.1,16.5
D17: length 84.8
  Bottom w0.2: 59.55,16.85 110.43,16.85 U7.12 113.1,22.1 113.1,30.81 U19.12 112.19,34.3 107.6,34.3 104.7,37.2 104.7,39.68 U17.49
D18: length 77.7
  Bottom w0.2: 59.6,17.2 108.24,17.2 U7.13 110.6,22.06 110.6,30.85 U19.13 110.15,33.8 106.9,33.8 103.48,37.22 U17.48
D19: length 76.8
  Bottom w0.2: U17.47 102.2,39.64 102.2,37.3 106.2,33.3 108.11,33.3 U19.14 108,30.79 108,22.12 U7.14 106.05,17.55 59.6,17.55
D20: length 70
  Bottom w0.2: 59.3,17.9 103.86,17.9 U7.15 105.5,22.08 105.5,30.83 U19.15 106.3,32.1 100.94,37.46 U17.46
D21: length 69.9
  Bottom w0.2: U17.45 99.7,39.6 99.7,35.9 103.5,32.1 U19.16 103,30.87 103,22.04 U7.16 101.67,18.25 59.35,18.25
D22: length 63.5
  Bottom w0.2: U17.44 98.4,35 101.3,32.1 U19.17 100.4,30.81 100.4,22.1 U7.17 99.48,18.6 59.3,18.6
D23: length 65.7
  Bottom w0.2: 59.24,18.96 97.3,18.96 U7.18 97.9,22.06 97.9,30.85 U19.18 99.1,32.1 97.2,34 97.2,42.24 U17.42
D24: length 65.6
  Top w0.2: 60.25,16.85 83.16,16.85 U5.11 ; U15.11 87.18,43.4 94.1,43.4 95.5,44.8 97.22,44.8 U17.40
  Bottom w0.2: U5.11 85.8,22.13 85.8,30.78 U18.11 88.4,33.38 88.4,42.02 U15.11
D25: length 63
  Top w0.2: U15.12 86.14,44.9 93.8,44.9 94.88,45.98 U17.39 ; U5.12 80.97,17.2 60.1,17.2
  Bottom w0.2: U15.12 85.8,42.08 85.8,33.32 U18.12 83.3,30.82 83.3,22.09 U5.12
D26: length 66.4
  Top w0.2: 60.1,17.55 78.78,17.55 U5.13 ; U17.38 97.08,47.2 95.3,47.2 93.35,45.25 83.95,45.25 U15.13
  Bottom w0.2: U15.13 83.3,42.04 83.3,33.36 U18.13 80.8,30.86 80.8,22.05 U5.13
D27: length 63.8
  Top w0.2: U15.14 81.76,45.6 92.94,45.6 U17.37 ; U5.14 76.59,17.9 60.1,17.9
  Bottom w0.2: U5.14 78.2,22.11 78.2,30.8 U18.14 80.8,33.4 80.8,42 U15.14
D28: length 67.2
  Top w0.2: 60.1,18.25 74.4,18.25 U5.15 ; U15.15 79.57,45.95 91.65,45.95 95.5,49.8 97.14,49.8 U17.36
  Bottom w0.2: U15.15 78.2,42.06 78.2,33.34 U18.15 75.7,30.84 75.7,22.07 U5.15
D29: length 86
  Top w0.2: U15.16 77.38,46.3 91.1,46.3 U17.35 ; U5.16 72.21,18.6 60.2,18.6
  Bottom w0.2: 96.6,72 97.04,71.56 97.04,52.24 U17.35 ; U5.16 73.2,22.03 73.2,30.88 U18.16 75.7,33.38 75.7,42.02 U15.16
D30: length 94.4
  Top w0.2: U5.17 70.02,18.95 60.2,18.95 ; U15.17 75.19,46.65 90.05,46.65 95.7,52.3 97.1,52.3 U17.34
  Bottom w0.2: U5.17 70.6,22.09 70.6,30.82 U18.17 73.2,33.42 73.2,41.98 U15.17 ; U17.34 97.39,54.61 97.39,77.63 U1.L4
D31: length 87.6
  Top w0.2: 60.2,19.3 67.83,19.3 U5.18 ; U17.33 95.86,53.36 89.5,47 77.28,47 73,47 U15.18
  Bottom w0.2: U5.18 68.1,22.05 68.1,30.86 U18.18 70.6,33.36 70.6,42.04 U15.18 ; U17.33 91.18,58.28 U1.N1
R/W: length 93.5
  Top w0.2: U8.1 152.01,14.9 125.43,14.9 U6.1 122.01,14.9 95.78,14.9 U7.1 92.57,14.69 65.76,14.69 U5.1
Net-(U11-C1+): length 2.9
  Bottom w0.5: C45.1 159.62,139.38 U11.1
Net-(U11-C1-): length 2.9
  Bottom w0.5: C45.2 159.42,134.3 U11.3
Net-(U11-C2+): length 2.6
  Bottom w0.5: C47.1 158.25,132 U11.4
Net-(U11-C2-): length 2.6
  Bottom w0.5: C47.2 158.34,128.88 U11.5
